# Altium PCB I2C_Jog_Controller.pcbdoc (part 9 of 9)
Units mil, origin at the board's own origin, x right, y up, seen from the top; angles counter-clockwise.
Board outline 3937.01 x 3937.01 mil, 2 copper layers (Top Layer, Bottom Layer), stack 65.398 mil thick; 211 components, 144 nets, 5702 pads, 342 vias.
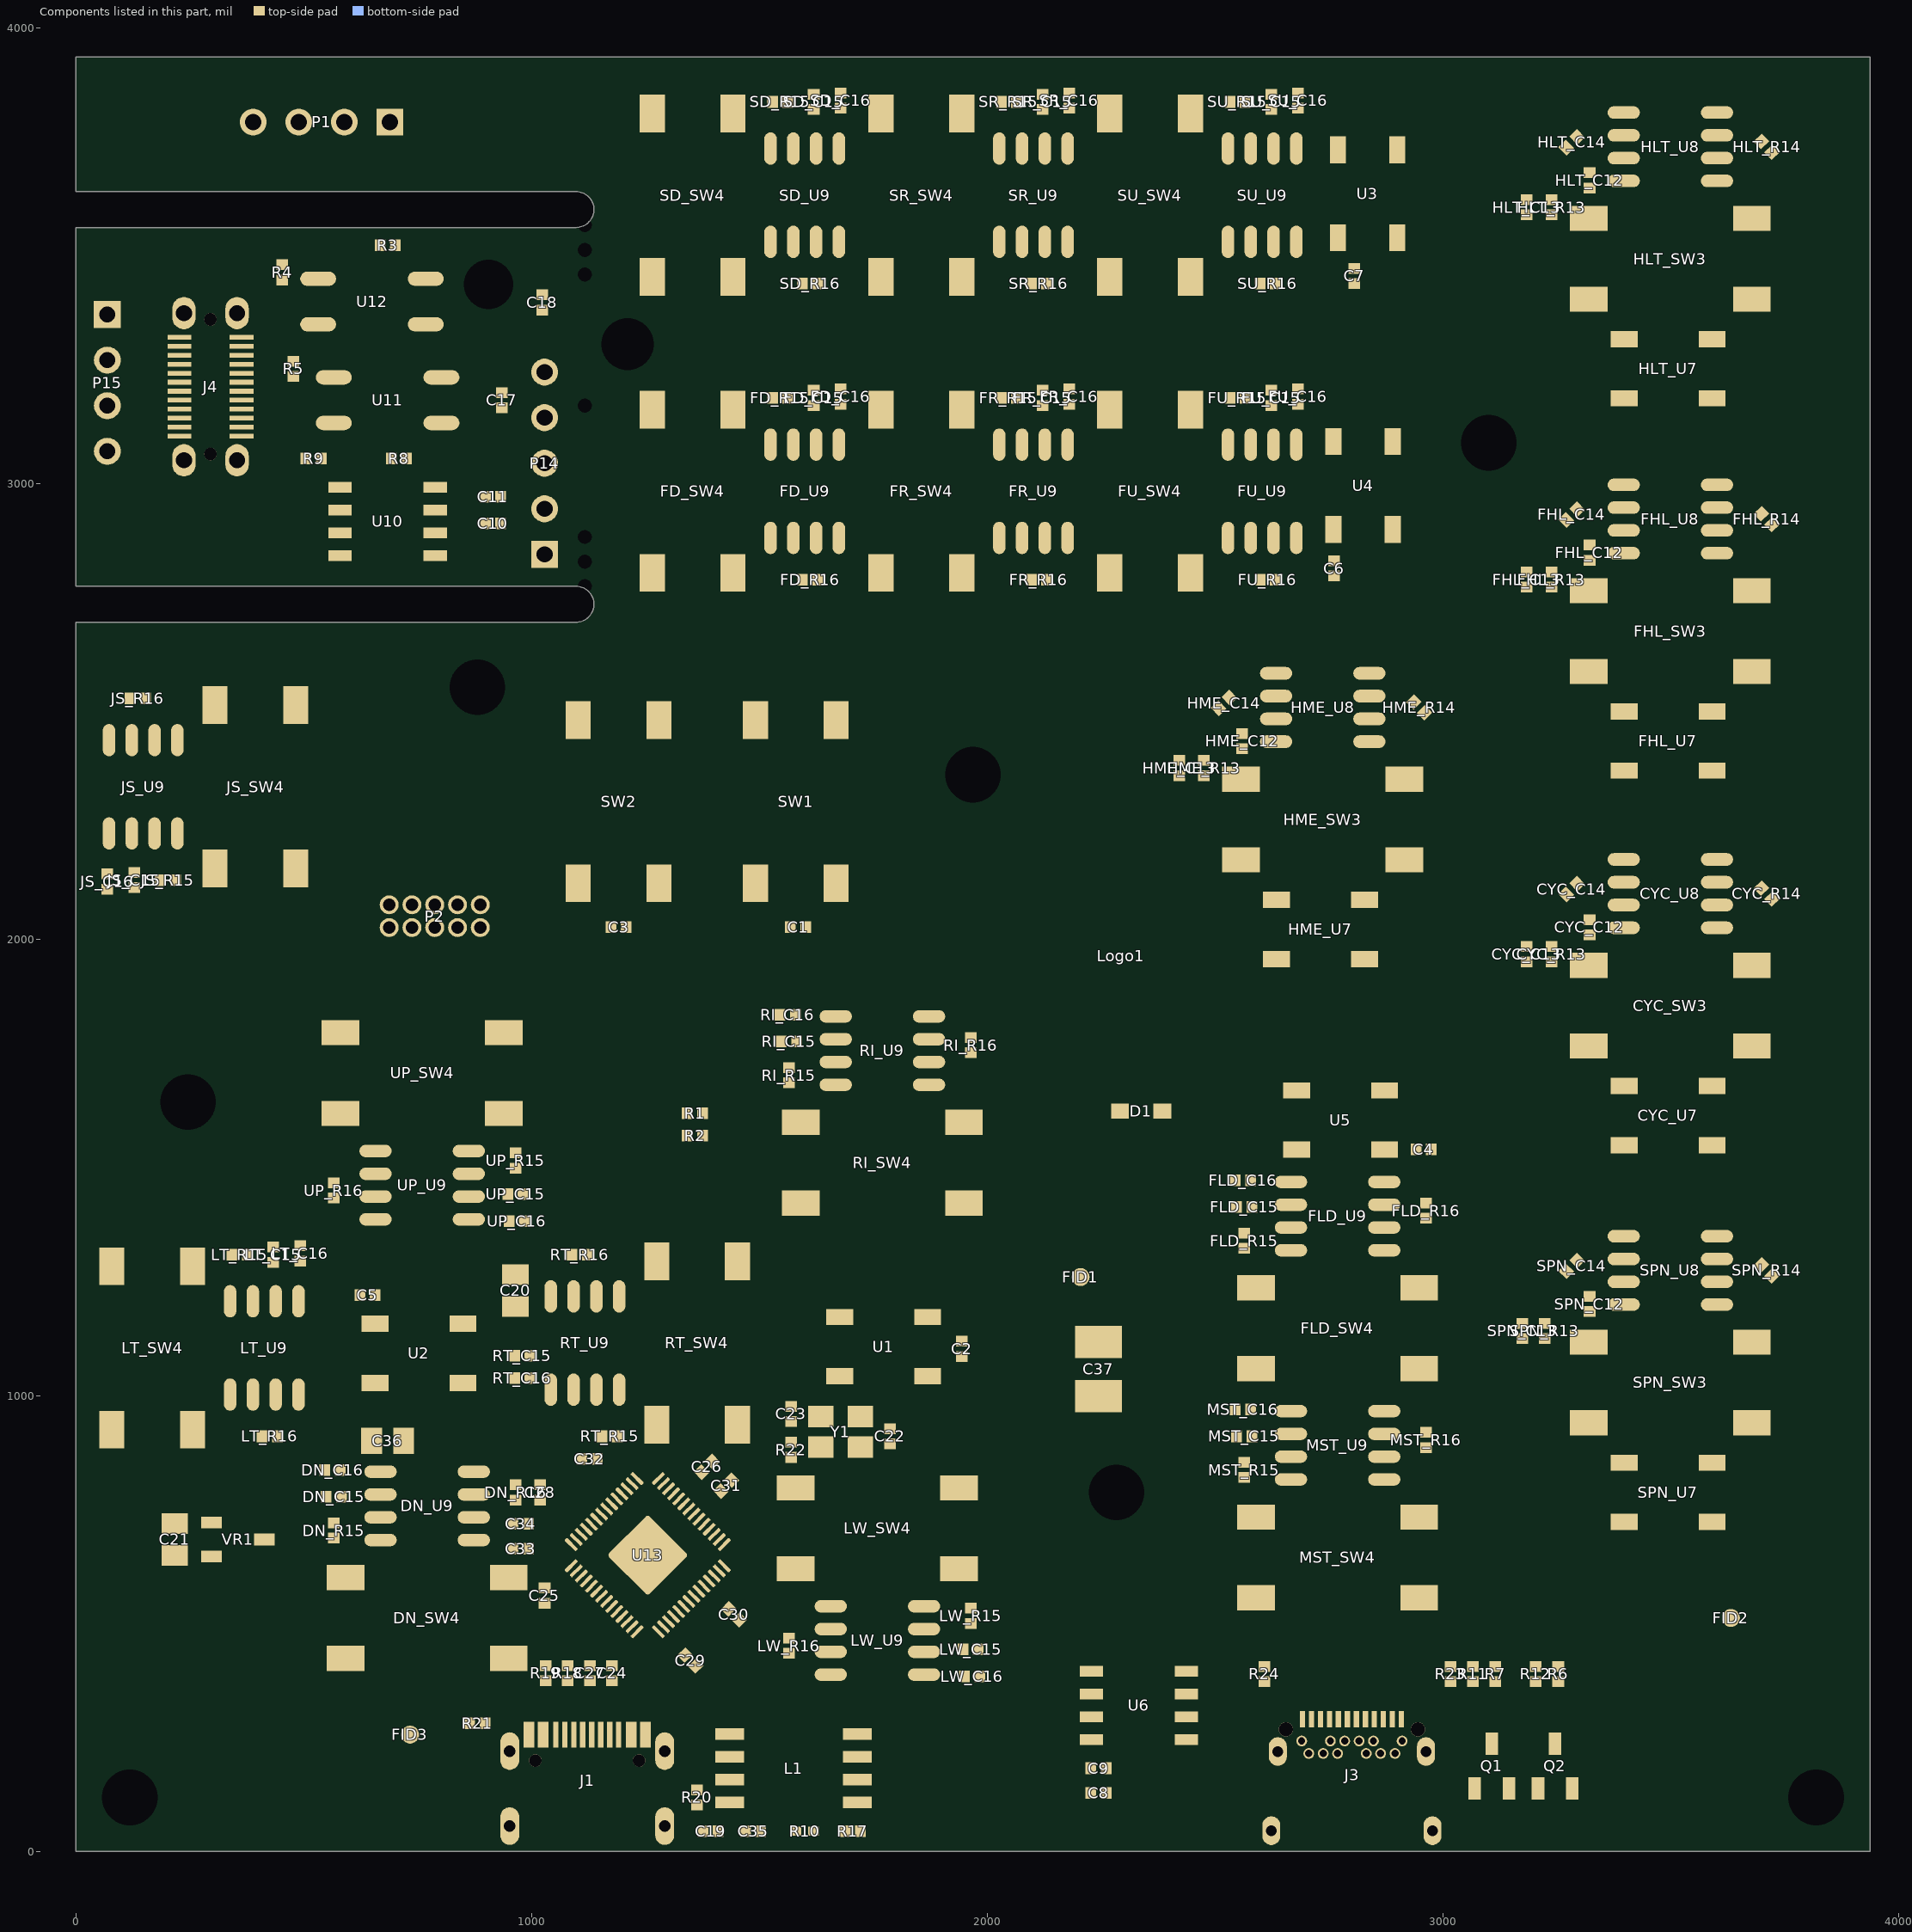
[diagram p9: the components of this part, seen from the top]

## Via types
v1: diameter 33.46, hole 19.68, Top Layer to Bottom Layer, tented both sides, 196 vias
v2: diameter 22, hole 10, Top Layer to Bottom Layer, tented both sides, 146 vias

## Nets (pads, with @x,y where several pads share a name; then routed paths per layer and width w, separated by ;. In a path a pad name is that pad's centre, name@x,y a point inside that pad or via, vN(x,y) a via of type N, cw(c..) or ccw(c..) an arc to the next point about the centre after c; other vN are vias at no path point) (continued)
pads on no net: Logo1.1_3771 Logo1.1_3772 Logo1.1_3773 Logo1.1_3774 Logo1.1_3775 Logo1.1_3776 Logo1.1_3777 Logo1.1_3778 Logo1.1_3779 Logo1.1_3780 Logo1.1_3781 Logo1.1_3782 Logo1.1_3783 Logo1.1_3784 Logo1.1_3785 Logo1.1_3786 Logo1.1_3787 Logo1.1_3788 Logo1.1_3789 Logo1.1_3790 Logo1.1_3791 Logo1.1_3792 Logo1.1_3793 Logo1.1_3794 Logo1.1_3795 Logo1.1_3796 Logo1.1_3797 Logo1.1_3798 Logo1.1_3799 Logo1.1_3800 Logo1.1_3801 Logo1.1_3802 Logo1.1_3803 Logo1.1_3804 Logo1.1_3805 Logo1.1_3806 Logo1.1_3807 Logo1.1_3808 Logo1.1_3809 Logo1.1_3810 Logo1.1_3811 Logo1.1_3812 Logo1.1_3813 Logo1.1_3814 Logo1.1_3815 Logo1.1_3816 Logo1.1_3817 Logo1.1_3818 Logo1.1_3819 Logo1.1_3820 Logo1.1_3821 Logo1.1_3822 Logo1.1_3823 Logo1.1_3824 Logo1.1_3825 Logo1.1_3826 Logo1.1_3827 Logo1.1_3828 Logo1.1_3829 Logo1.1_3830 Logo1.1_3831 Logo1.1_3832 Logo1.1_3833 Logo1.1_3834 Logo1.1_3835 Logo1.1_3836 Logo1.1_3837 Logo1.1_3838 Logo1.1_3839 Logo1.1_3840 Logo1.1_3841 Logo1.1_3842 Logo1.1_3843 Logo1.1_3844 Logo1.1_3845 Logo1.1_3846 Logo1.1_3847 Logo1.1_3848 Logo1.1_3849 Logo1.1_3850 Logo1.1_3851 Logo1.1_3852 Logo1.1_3853 Logo1.1_3854 Logo1.1_3855 Logo1.1_3856 Logo1.1_3857 Logo1.1_3858 Logo1.1_3859 Logo1.1_3860 Logo1.1_3861 Logo1.1_3862 Logo1.1_3863 Logo1.1_3864 Logo1.1_3865 Logo1.1_3866 Logo1.1_3867 Logo1.1_3868 Logo1.1_3869 Logo1.1_3870 Logo1.1_3871 Logo1.1_3872 Logo1.1_3873 Logo1.1_3874 Logo1.1_3875 Logo1.1_3876 Logo1.1_3877 Logo1.1_3878 Logo1.1_3879 Logo1.1_3880 Logo1.1_3881 Logo1.1_3882 Logo1.1_3883 Logo1.1_3884 Logo1.1_3885 Logo1.1_3886 Logo1.1_3887 Logo1.1_3888 Logo1.1_3889 Logo1.1_3890 Logo1.1_3891 Logo1.1_3892 Logo1.1_3893 Logo1.1_3894 Logo1.1_3895 Logo1.1_3896 Logo1.1_3897 Logo1.1_3898 Logo1.1_3899 Logo1.1_3900 Logo1.1_3901 Logo1.1_3902 Logo1.1_3903 Logo1.1_3904 Logo1.1_3905 Logo1.1_3906 Logo1.1_3907 Logo1.1_3908 Logo1.1_3909 Logo1.1_3910 Logo1.1_3911 Logo1.1_3912 Logo1.1_3913 Logo1.1_3914 Logo1.1_3915 Logo1.1_3916 Logo1.1_3917 Logo1.1_3918 Logo1.1_3919 Logo1.1_3920 Logo1.1_3921 Logo1.1_3922 Logo1.1_3923 Logo1.1_3924 Logo1.1_3925 Logo1.1_3926 Logo1.1_3927 Logo1.1_3928 Logo1.1_3929 Logo1.1_3930 Logo1.1_3931 Logo1.1_3932 Logo1.1_3933 Logo1.1_3934 Logo1.1_3935 Logo1.1_3936 Logo1.1_3937 Logo1.1_3938 Logo1.1_3939 Logo1.1_3940 Logo1.1_3941 Logo1.1_3942 Logo1.1_3943 Logo1.1_3944 Logo1.1_3945 Logo1.1_3946 Logo1.1_3947 Logo1.1_3948 Logo1.1_3949 Logo1.1_3950 Logo1.1_3951 Logo1.1_3952 Logo1.1_3953 Logo1.1_3954 Logo1.1_3955 Logo1.1_3956 Logo1.1_3957 Logo1.1_3958 Logo1.1_3959 Logo1.1_3960 Logo1.1_3961 Logo1.1_3962 Logo1.1_3963 Logo1.1_3964 Logo1.1_3965 Logo1.1_3966 Logo1.1_3967 Logo1.1_3968 Logo1.1_3969 Logo1.1_3970 Logo1.1_3971 Logo1.1_3972 Logo1.1_3973 Logo1.1_3974 Logo1.1_3975 Logo1.1_3976 Logo1.1_3977 Logo1.1_3978 Logo1.1_3979 Logo1.1_3980 Logo1.1_3981 Logo1.1_3982 Logo1.1_3983 Logo1.1_3984 Logo1.1_3985 Logo1.1_3986 Logo1.1_3987 Logo1.1_3988 Logo1.1_3989 Logo1.1_3990 Logo1.1_3991 Logo1.1_3992 Logo1.1_3993 Logo1.1_3994 Logo1.1_3995 Logo1.1_3996 Logo1.1_3997 Logo1.1_3998 Logo1.1_3999 Logo1.1_4000 Logo1.1_4001 Logo1.1_4002 Logo1.1_4003 Logo1.1_4004 Logo1.1_4005 Logo1.1_4006 Logo1.1_4007 Logo1.1_4008 Logo1.1_4009 Logo1.1_4010 Logo1.1_4011 Logo1.1_4012 Logo1.1_4013 Logo1.1_4014 Logo1.1_4015 Logo1.1_4016 Logo1.1_4017 Logo1.1_4018 Logo1.1_4019 Logo1.1_4020 Logo1.1_4021 Logo1.1_4022 Logo1.1_4023 Logo1.1_4024 Logo1.1_4025 Logo1.1_4026 Logo1.1_4027 Logo1.1_4028 Logo1.1_4029 Logo1.1_4030 Logo1.1_4031 Logo1.1_4032 Logo1.1_4033 Logo1.1_4034 Logo1.1_4035 Logo1.1_4036 Logo1.1_4037 Logo1.1_4038 Logo1.1_4039 Logo1.1_4040 Logo1.1_4041 Logo1.1_4042 Logo1.1_4043 Logo1.1_4044 Logo1.1_4045 Logo1.1_4046 Logo1.1_4047 Logo1.1_4048 Logo1.1_4049 Logo1.1_4050 Logo1.1_4051 Logo1.1_4052 Logo1.1_4053 Logo1.1_4054 Logo1.1_4055 Logo1.1_4056 Logo1.1_4057 Logo1.1_4058 Logo1.1_4059 Logo1.1_4060 Logo1.1_4061 Logo1.1_4062 Logo1.1_4063 Logo1.1_4064 Logo1.1_4065 Logo1.1_4066 Logo1.1_4067 Logo1.1_4068 Logo1.1_4069 Logo1.1_4070 Logo1.1_4071 Logo1.1_4072 Logo1.1_4073 Logo1.1_4074 Logo1.1_4075 Logo1.1_4076 Logo1.1_4077 Logo1.1_4078 Logo1.1_4079 Logo1.1_4080 Logo1.1_4081 Logo1.1_4082 Logo1.1_4083 Logo1.1_4084 Logo1.1_4085 Logo1.1_4086 Logo1.1_4087 Logo1.1_4088 Logo1.1_4089 Logo1.1_4090 Logo1.1_4091 Logo1.1_4092 Logo1.1_4093 Logo1.1_4094 Logo1.1_4095 Logo1.1_4096 Logo1.1_4097 Logo1.1_4098 Logo1.1_4099 Logo1.1_4100 Logo1.1_4101 Logo1.1_4102 Logo1.1_4103 Logo1.1_4104 Logo1.1_4105 Logo1.1_4106 Logo1.1_4107 Logo1.1_4108 Logo1.1_4109 Logo1.1_4110 Logo1.1_4111 Logo1.1_4112 Logo1.1_4113 Logo1.1_4114 Logo1.1_4115 Logo1.1_4116 Logo1.1_4117 Logo1.1_4118 Logo1.1_4119 Logo1.1_4120 Logo1.1_4121 Logo1.1_4122 Logo1.1_4123 Logo1.1_4124 Logo1.1_4125 Logo1.1_4126 Logo1.1_4127 Logo1.1_4128 Logo1.1_4129 Logo1.1_4130 Logo1.1_4131 Logo1.1_4132 Logo1.1_4133 Logo1.1_4134 Logo1.1_4135 Logo1.1_4136 Logo1.1_4137 Logo1.1_4138 Logo1.1_4139 Logo1.1_4140 Logo1.1_4141 Logo1.1_4142 Logo1.1_4143 Logo1.1_4144 Logo1.1_4145 Logo1.1_4146 Logo1.1_4147 Logo1.1_4148 Logo1.1_4149 Logo1.1_4150 Logo1.1_4151 Logo1.1_4152 Logo1.1_4153 Logo1.1_4154 Logo1.1_4155 Logo1.1_4156 Logo1.1_4157 Logo1.1_4158 Logo1.1_4159 Logo1.1_4160 Logo1.1_4161 Logo1.1_4162 Logo1.1_4163 Logo1.1_4164 Logo1.1_4165 Logo1.1_4166 Logo1.1_4167 Logo1.1_4168 Logo1.1_4169 Logo1.1_4170 Logo1.1_4171 Logo1.1_4172 Logo1.1_4173 Logo1.1_4174 Logo1.1_4175 Logo1.1_4176 Logo1.1_4177 Logo1.1_4178 Logo1.1_4179 Logo1.1_4180 Logo1.1_4181 Logo1.1_4182 Logo1.1_4183 Logo1.1_4184 Logo1.1_4185 Logo1.1_4186 Logo1.1_4187 Logo1.1_4188 Logo1.1_4189 Logo1.1_4190 Logo1.1_4191 Logo1.1_4192 Logo1.1_4193 Logo1.1_4194 Logo1.1_4195 Logo1.1_4196 Logo1.1_4197 Logo1.1_4198 Logo1.1_4199 Logo1.1_4200 Logo1.1_4201 Logo1.1_4202 Logo1.1_4203 Logo1.1_4204 Logo1.1_4205 Logo1.1_4206 Logo1.1_4207 Logo1.1_4208 Logo1.1_4209 Logo1.1_4210 Logo1.1_4211 Logo1.1_4212 Logo1.1_4213 Logo1.1_4214 Logo1.1_4215 Logo1.1_4216 Logo1.1_4217 Logo1.1_4218 Logo1.1_4219 Logo1.1_4220 Logo1.1_4221 Logo1.1_4222 Logo1.1_4223 Logo1.1_4224 Logo1.1_4225 Logo1.1_4226 Logo1.1_4227 Logo1.1_4228 Logo1.1_4229 Logo1.1_4230 Logo1.1_4231 Logo1.1_4232 Logo1.1_4233 Logo1.1_4234 Logo1.1_4235 Logo1.1_4236 Logo1.1_4237 Logo1.1_4238 Logo1.1_4239 Logo1.1_4240 Logo1.1_4241 Logo1.1_4242 Logo1.1_4243 Logo1.1_4244 Logo1.1_4245 Logo1.1_4246 Logo1.1_4247 Logo1.1_4248 Logo1.1_4249 Logo1.1_4250 Logo1.1_4251 Logo1.1_4252 Logo1.1_4253 Logo1.1_4254 Logo1.1_4255 Logo1.1_4256 Logo1.1_4257 Logo1.1_4258 Logo1.1_4259 Logo1.1_4260 Logo1.1_4261 Logo1.1_4262 Logo1.1_4263 Logo1.1_4264 Logo1.1_4265 Logo1.1_4266 Logo1.1_4267 Logo1.1_4268 Logo1.1_4269 Logo1.1_4270 Logo1.1_4271 Logo1.1_4272 Logo1.1_4273 Logo1.1_4274 Logo1.1_4275 Logo1.1_4276 Logo1.1_4277 Logo1.1_4278 Logo1.1_4279 Logo1.1_4280 Logo1.1_4281 Logo1.1_4282 Logo1.1_4283 Logo1.1_4284 Logo1.1_4285 Logo1.1_4286 Logo1.1_4287 Logo1.1_4288 Logo1.1_4289 Logo1.1_4290 Logo1.1_4291 Logo1.1_4292 Logo1.1_4293 Logo1.1_4294 Logo1.1_4295 Logo1.1_4296 Logo1.1_4297 Logo1.1_4298 Logo1.1_4299 Logo1.1_4300 Logo1.1_4301 Logo1.1_4302 Logo1.1_4303 Logo1.1_4304 Logo1.1_4305 Logo1.1_4306 Logo1.1_4307 Logo1.1_4308 Logo1.1_4309 Logo1.1_4310 Logo1.1_4311 Logo1.1_4312 Logo1.1_4313 Logo1.1_4314 Logo1.1_4315 Logo1.1_4316 Logo1.1_4317 Logo1.1_4318 Logo1.1_4319 Logo1.1_4320 Logo1.1_4321 Logo1.1_4322 Logo1.1_4323 Logo1.1_4324 Logo1.1_4325 Logo1.1_4326 Logo1.1_4327 Logo1.1_4328 Logo1.1_4329 Logo1.1_4330 Logo1.1_4331 Logo1.1_4332 Logo1.1_4333 Logo1.1_4334 Logo1.1_4335 Logo1.1_4336 Logo1.1_4337 Logo1.1_4338 Logo1.1_4339 Logo1.1_4340 Logo1.1_4341 Logo1.1_4342 Logo1.1_4343 Logo1.1_4344 Logo1.1_4345 Logo1.1_4346 Logo1.1_4347 Logo1.1_4348 Logo1.1_4349 Logo1.1_4350 Logo1.1_4351 Logo1.1_4352 Logo1.1_4353 Logo1.1_4354 Logo1.1_4355 Logo1.1_4356 Logo1.1_4357 Logo1.1_4358 Logo1.1_4359 Logo1.1_4360 Logo1.1_4361 Logo1.1_4362 Logo1.1_4363 Logo1.1_4364 Logo1.1_4365 Logo1.1_4366 Logo1.1_4367 Logo1.1_4368 Logo1.1_4369 Logo1.1_4370 Logo1.1_4371 Logo1.1_4372 Logo1.1_4373 Logo1.1_4374 Logo1.1_4375 Logo1.1_4376 Logo1.1_4377 Logo1.1_4378 Logo1.1_4379 Logo1.1_4380 Logo1.1_4381 Logo1.1_4382 Logo1.1_4383 Logo1.1_4384 Logo1.1_4385 Logo1.1_4386 Logo1.1_4387 Logo1.1_4388 Logo1.1_4389 Logo1.1_4390 Logo1.1_4391 Logo1.1_4392 Logo1.1_4393 Logo1.1_4394 Logo1.1_4395 Logo1.1_4396 Logo1.1_4397 Logo1.1_4398 Logo1.1_4399 Logo1.1_4400 Logo1.1_4401 Logo1.1_4402 Logo1.1_4403 Logo1.1_4404 Logo1.1_4405 Logo1.1_4406 Logo1.1_4407 Logo1.1_4408 Logo1.1_4409 Logo1.1_4410 Logo1.1_4411 Logo1.1_4412 Logo1.1_4413 Logo1.1_4414 Logo1.1_4415 Logo1.1_4416 Logo1.1_4417 Logo1.1_4418 Logo1.1_4419 Logo1.1_4420 Logo1.1_4421 Logo1.1_4422 Logo1.1_4423 Logo1.1_4424 Logo1.1_4425 Logo1.1_4426 Logo1.1_4427 Logo1.1_4428 Logo1.1_4429 Logo1.1_4430 Logo1.1_4431 Logo1.1_4432 Logo1.1_4433 Logo1.1_4434 Logo1.1_4435 Logo1.1_4436 Logo1.1_4437 Logo1.1_4438 Logo1.1_4439 Logo1.1_4440 Logo1.1_4441 Logo1.1_4442 Logo1.1_4443 Logo1.1_4444 Logo1.1_4445 Logo1.1_4446 Logo1.1_4447 Logo1.1_4448 Logo1.1_4449 Logo1.1_4450 Logo1.1_4451 Logo1.1_4452 Logo1.1_4453 Logo1.1_4454 Logo1.1_4455 Logo1.1_4456 Logo1.1_4457 Logo1.1_4458 Logo1.1_4459 Logo1.1_4460 Logo1.1_4461 Logo1.1_4462 Logo1.1_4463 Logo1.1_4464 Logo1.1_4465 Logo1.1_4466 Logo1.1_4467 Logo1.1_4468 Logo1.1_4469 Logo1.1_4470 Logo1.1_4471 Logo1.1_4472 Logo1.1_4473 Logo1.1_4474 Logo1.1_4475 Logo1.1_4476 Logo1.1_4477 Logo1.1_4478 Logo1.1_4479 Logo1.1_4480 Logo1.1_4481 Logo1.1_4482 Logo1.1_4483 Logo1.1_4484 Logo1.1_4485 Logo1.1_4486 Logo1.1_4487 Logo1.1_4488 Logo1.1_4489 Logo1.1_4490 Logo1.1_4491 Logo1.1_4492 Logo1.1_4493 Logo1.1_4494 Logo1.1_4495 Logo1.1_4496 Logo1.1_4497 Logo1.1_4498 Logo1.1_4499 Logo1.1_4500 Logo1.1_4501 Logo1.1_4502 Logo1.1_4503 Logo1.1_4504 Logo1.1_4505 Logo1.1_4506 Logo1.1_4507 Logo1.1_4508 Logo1.1_4509 Logo1.1_4510 Logo1.1_4511 Logo1.1_4512 Logo1.1_4513 Logo1.1_4514 Logo1.1_4515 Logo1.1_4516 Logo1.1_4517 Logo1.1_4518 Logo1.1_4519 Logo1.1_4520 Logo1.1_4521 Logo1.1_4522 Logo1.1_4523 Logo1.1_4524 Logo1.1_4525 Logo1.1_4526 Logo1.1_4527 Logo1.1_4528 Logo1.1_4529 Logo1.1_4530 Logo1.1_4531 Logo1.1_4532 Logo1.1_4533 Logo1.1_4534 Logo1.1_4535 Logo1.1_4536 Logo1.1_4537 Logo1.1_4538 Logo1.1_4539 Logo1.1_4540 Logo1.1_4541 Logo1.1_4542 Logo1.1_4543 Logo1.1_4544 Logo1.1_4545 Logo1.1_4546 Logo1.1_4547 Logo1.1_4548 Logo1.1_4549 Logo1.1_4550 Logo1.1_4551 Logo1.1_4552 Logo1.1_4553 Logo1.1_4554 Logo1.1_4555 Logo1.1_4556 Logo1.1_4557 Logo1.1_4558 Logo1.1_4559 Logo1.1_4560 Logo1.1_4561 Logo1.1_4562 Logo1.1_4563 Logo1.1_4564 Logo1.1_4565 Logo1.1_4566 Logo1.1_4567 Logo1.1_4568 Logo1.1_4569 Logo1.1_4570 Logo1.1_4571 Logo1.1_4572 Logo1.1_4573 Logo1.1_4574 Logo1.1_4575 Logo1.1_4576 Logo1.1_4577 Logo1.1_4578 Logo1.1_4579 Logo1.1_4580 Logo1.1_4581 Logo1.1_4582 Logo1.1_4583 Logo1.1_4584 Logo1.1_4585 Logo1.1_4586 Logo1.1_4587 Logo1.1_4588 Logo1.1_4589 Logo1.1_4590 Logo1.1_4591 Logo1.1_4592 Logo1.1_4593 Logo1.1_4594 Logo1.1_4595 Logo1.1_4596 Logo1.1_4597 Logo1.1_4598 Logo1.1_4599 Logo1.1_4600 Logo1.1_4601 Logo1.1_4602 Logo1.1_4603 Logo1.1_4604 Logo1.1_4605 Logo1.1_4606 Logo1.1_4607 Logo1.1_4608 Logo1.1_4609 Logo1.1_4610 Logo1.1_4611 Logo1.1_4612 Logo1.1_4613 Logo1.1_4614 Logo1.1_4615 Logo1.1_4616 Logo1.1_4617 Logo1.1_4618 Logo1.1_4619 Logo1.1_4620 Logo1.1_4621 Logo1.1_4622 Logo1.1_4623 Logo1.1_4624 Logo1.1_4625 Logo1.1_4626 Logo1.1_4627 Logo1.1_4628 Logo1.1_4629 Logo1.1_4630 Logo1.1_4631 Logo1.1_4632 Logo1.1_4633 Logo1.1_4634 Logo1.1_4635 Logo1.1_4636 Logo1.1_4637 Logo1.1_4638 Logo1.1_4639 Logo1.1_4640 Logo1.1_4641 Logo1.1_4642 Logo1.1_4643 Logo1.1_4644 Logo1.1_4645 Logo1.1_4646 Logo1.1_4647 Logo1.1_4648 Logo1.1_4649 Logo1.1_4650 Logo1.1_4651 Logo1.1_4652 Logo1.1_4653 Logo1.1_4654 Logo1.1_4655 Logo1.1_4656 Logo1.1_4657 Logo1.1_4658 Logo1.1_4659 Logo1.1_4660 Logo1.1_4661 Logo1.1_4662 Logo1.1_4663 Logo1.1_4664 Logo1.1_4665 Logo1.1_4666 Logo1.1_4667 Logo1.1_4668 Logo1.1_4669 Logo1.1_4670 Logo1.1_4671 Logo1.1_4672 Logo1.1_4673 Logo1.1_4674 Logo1.1_4675 Logo1.1_4676 Logo1.1_4677 Logo1.1_4678 Logo1.1_4679 Logo1.1_4680 Logo1.1_4681 Logo1.1_4682 Logo1.1_4683 Logo1.1_4684 Logo1.1_4685 Logo1.1_4686 Logo1.1_4687 Logo1.1_4688 Logo1.1_4689 Logo1.1_4690 Logo1.1_4691 Logo1.1_4692 Logo1.1_4693 Logo1.1_4694 Logo1.1_4695 Logo1.1_4696 Logo1.1_4697 Logo1.1_4698 Logo1.1_4699 Logo1.1_4700 Logo1.1_4701 Logo1.1_4702 Logo1.1_4703 Logo1.1_4704 Logo1.1_4705 Logo1.1_4706 Logo1.1_4707 Logo1.1_4708 Logo1.1_4709 Logo1.1_4710 Logo1.1_4711 Logo1.1_4712 Logo1.1_4713 Logo1.1_4714 Logo1.1_4715 Logo1.1_4716 Logo1.1_4717 Logo1.1_4718 Logo1.1_4719 Logo1.1_4720 Logo1.1_4721 Logo1.1_4722 Logo1.1_4723 Logo1.1_4724 Logo1.1_4725 Logo1.1_4726 Logo1.1_4727 Logo1.1_4728 Logo1.1_4729 Logo1.1_4730 Logo1.1_4731 Logo1.1_4732 Logo1.1_4733 Logo1.1_4734 Logo1.1_4735 Logo1.1_4736 Logo1.1_4737 Logo1.1_4738 Logo1.1_4739 Logo1.1_4740 Logo1.1_4741 Logo1.1_4742 Logo1.1_4743 Logo1.1_4744 Logo1.1_4745 Logo1.1_4746 Logo1.1_4747 Logo1.1_4748 Logo1.1_4749 Logo1.1_4750 Logo1.1_4751 Logo1.1_4752 Logo1.1_4753 Logo1.1_4754 Logo1.1_4755 Logo1.1_4756 Logo1.1_4757 Logo1.1_4758 Logo1.1_4759 Logo1.1_4760 Logo1.1_4761 Logo1.1_4762 Logo1.1_4763 Logo1.1_4764 Logo1.1_4765 Logo1.1_4766 Logo1.1_4767 Logo1.1_4768 Logo1.1_4769 Logo1.1_4770 Logo1.1_4771 Logo1.1_4772 Logo1.1_4773 Logo1.1_4774 Logo1.1_4775 Logo1.1_4776 Logo1.1_4777 Logo1.1_4778 Logo1.1_4779 Logo1.1_4780 Logo1.1_4781 Logo1.1_4782 Logo1.1_4783 Logo1.1_4784 Logo1.1_4785 Logo1.1_4786 Logo1.1_4787 Logo1.1_4788 Logo1.1_4789 Logo1.1_4790 Logo1.1_4791 Logo1.1_4792 Logo1.1_4793 Logo1.1_4794 Logo1.1_4795 Logo1.1_4796 Logo1.1_4797 Logo1.1_4798 Logo1.1_4799 Logo1.1_4800 Logo1.1_4801 Logo1.1_4802 Logo1.1_4803 Logo1.1_4804 Logo1.1_4805 Logo1.1_4806 Logo1.1_4807 Logo1.1_4808 Logo1.1_4809 Logo1.1_4810 Logo1.1_4811 Logo1.1_4812 Logo1.1_4813 Logo1.1_4814 Logo1.1_4815 Logo1.1_4816 Logo1.1_4817 Logo1.1_4818 Logo1.1_4819 Logo1.1_4820 Logo1.1_4821 Logo1.1_4822 Logo1.1_4823 Logo1.1_4824 Logo1.1_4825 Logo1.1_4826 Logo1.1_4827 Logo1.1_4828 Logo1.1_4829 Logo1.1_4830 Logo1.1_4831 Logo1.1_4832 Logo1.1_4833 Logo1.1_4834 Logo1.1_4835 Logo1.1_4836 Logo1.1_4837 Logo1.1_4838 Logo1.1_4839 Logo1.1_4840 Logo1.1_4841 Logo1.1_4842 Logo1.1_4843 Logo1.1_4844 Logo1.1_4845 Logo1.1_4846 Logo1.1_4847 Logo1.1_4848 Logo1.1_4849 Logo1.1_4850 Logo1.1_4851 Logo1.1_4852 Logo1.1_4853 Logo1.1_4854 Logo1.1_4855 Logo1.1_4856 Logo1.1_4857 Logo1.1_4858 Logo1.1_4859 Logo1.1_4860 Logo1.1_4861 Logo1.1_4862 Logo1.1_4863 Logo1.1_4864 Logo1.1_4865 Logo1.1_4866 Logo1.1_4867 Logo1.1_4868 Logo1.1_4869 Logo1.1_4870 Logo1.1_4871 Logo1.1_4872 Logo1.1_4873 Logo1.1_4874 Logo1.1_4875 Logo1.1_4876 Logo1.1_4877 Logo1.1_4878 Logo1.1_4879 Logo1.1_4880 Logo1.1_4881 Logo1.1_4882 Logo1.1_4883 Logo1.1_4884 Logo1.1_4885 Logo1.1_4886 Logo1.1_4887 Logo1.1_4888 Logo1.1_4889 Logo1.1_4890 Logo1.1_4891 Logo1.1_4892 Logo1.1_4893 Logo1.1_4894 Logo1.1_4895 Logo1.1_4896 Logo1.1_4897 Logo1.1_4898 Logo1.1_4899 Logo1.1_4900 Logo1.1_4901 Logo1.1_4902 Logo1.1_4903 Logo1.1_4904 Logo1.1_4905 Logo1.1_4906 Logo1.1_4907 Logo1.1_4908 Logo1.1_4909 Logo1.1_4910 Logo1.1_4911 Logo1.1_4912 Logo1.1_4913 Logo1.1_4914 Logo1.1_4915 P2.7 P2.8 P2.9 P2.10 P14.2 U6.1 U6.5 U10.1 U10.5

## Polygon pours and split planes (outlines as drawn)
GND on Bottom Layer "GND_L02_P003" (solid, remove dead copper, pour order 3): 0,0 3937.01,0 3937.01,3937.01 0,3937.01
GND_CONN on Bottom Layer "NONET_L-01_P-001" (solid, pour order 1): 0,3559.25 1122.05,3559.25 1122.05,2771.85 0,2771.85
GND on Top Layer "GND_L01_P002" (solid, remove dead copper, pour order 2): 0,0 3937.01,0 3937.01,3937.01 0,3937.01
GND_CONN on Top Layer "NONET_L-01_P-001" (solid, remove dead copper, pour order 0): 0,3559.25 1122.05,3559.25 1122.05,2771.85 0,2771.85

## Silkscreen, mask and mechanical layers (free items; w line width, h text height)
Top Overlay:
  drawing of 692 lines, arcs and shapes, not listed
  text "GND 5V SCL SDA" at 314.96,3681.74 h60
  text "JOG2K" at 49.21,3435.04 h118.11
  text "PCB_REV '.VarRevNo'" at 24.61,2805.07 h60
  text "Expatria" at 2042.8,2179.57 h100 r315
  text "Technologies" at 2110.15,1892.87 h60 r315
  text "PCB_REV '.VarRevNo'" at 2258.86,29.48 h60
  text "USB HID" at 487.2,24.61 h118.11
  text "JOG2K" at 3021.65,14.76 h118.11
Bottom Overlay:
  text "I2C Jog Controller" at 3704.3,1161.42 h60 r90
  text "PCB_REV '.VarRevNo'" at 3774.66,1161.42 h60 r90
Bottom Solder:
  region: 3870.17,280.67 3893.78,279.48 3893.78,284.32 3870.6,283.11 cw(c3870.61,285.81) 3867.96,285.34 cw(c3873.99,285.57) 3867.97,286.09 3872.03,309.15 3863.44,306.04 cw(c3862.55,309.23) 3862.83,305.93 cw(c3862.83,307.67) 3861.48,306.57 3841.02,331.84 3838.36,326.15 cw(c3836.78,326.89) 3836.78,325.15 cw(c3836.78,326.9) 3836.24,325.24 3820.88,330.23 3823.97,315.68 cw(c3821.97,315.47) 3822.95,313.72 3816.31,310.9 3828.5,299.54 cw(c3827.3,298.27) 3829.05,298.27 cw(c3827.25,298.32) 3827.52,296.54 cw(c3827.7,310.16) 3826.97,296.56 3798.73,302.04 3803.8,293.26 cw(c3802.29,292.37) 3804.04,292.37 cw(c3802.3,292.37) 3803.08,290.81 3785.57,281.9 3803.08,272.99 cw(c3802.3,271.42) 3804.04,271.42 cw(c3802.29,271.42) 3803.8,270.54 3798.73,261.76 3826.97,267.24 cw(c3827.11,265.26) 3829.03,265.74 cw(c3827.05,265.62) 3828.5,264.26 3816.31,252.9 3822.95,250.08 cw(c3822.26,248.48) 3824,248.48 3820.88,233.57 3836.24,238.56 cw(c3836.78,236.91) 3836.78,238.65 cw(c3836.78,236.91) 3838.36,237.65 3841.02,231.96 3861.48,257.22 cw(c3862.83,256.12) 3862.83,257.87 cw(c3862.83,256.12) 3863.44,257.76 3872.03,254.65 3867.97,277.71 cw(c3878.99,278.65) 3867.94,278.27 cw(c3870.49,278.14)
  text "Designed in Canada" at 3878.72,1161.42 h100 r90
Mechanical 6:
  lines w10: 1122.05,3602.36 1122.05,3602.36 ; 1122.05,3602.36 1122.05,3602.36 ; 0,0 0,2696.85 1097.44,2696.85 ccw(c1097.44,2736.22) 1136.81,2736.22 ccw(c1097.44,2736.22) 1097.44,2775.59 0,2775.59 0,3562.99 118.11,3562.99 1097.44,3562.99 ccw(c1097.44,3602.36) 1136.81,3602.36 ccw(c1097.44,3602.36) 1097.44,3641.73 0,3641.73 0,3937.01 3937.01,3937.01 3937.01,0 0,0

## Text inside footprints (layer, text, board x,y; h text height)
P2: Top Overlay "2" at 613.98,2067.52 h40; Top Overlay "1" at 629.72,1996.65 h40; Top Overlay "10" at 933.27,2067.52 h40; Top Overlay "9" at 933.27,1996.65 h40